# Altium PCB 2.PcbDoc (part 4 of 22) (continued)
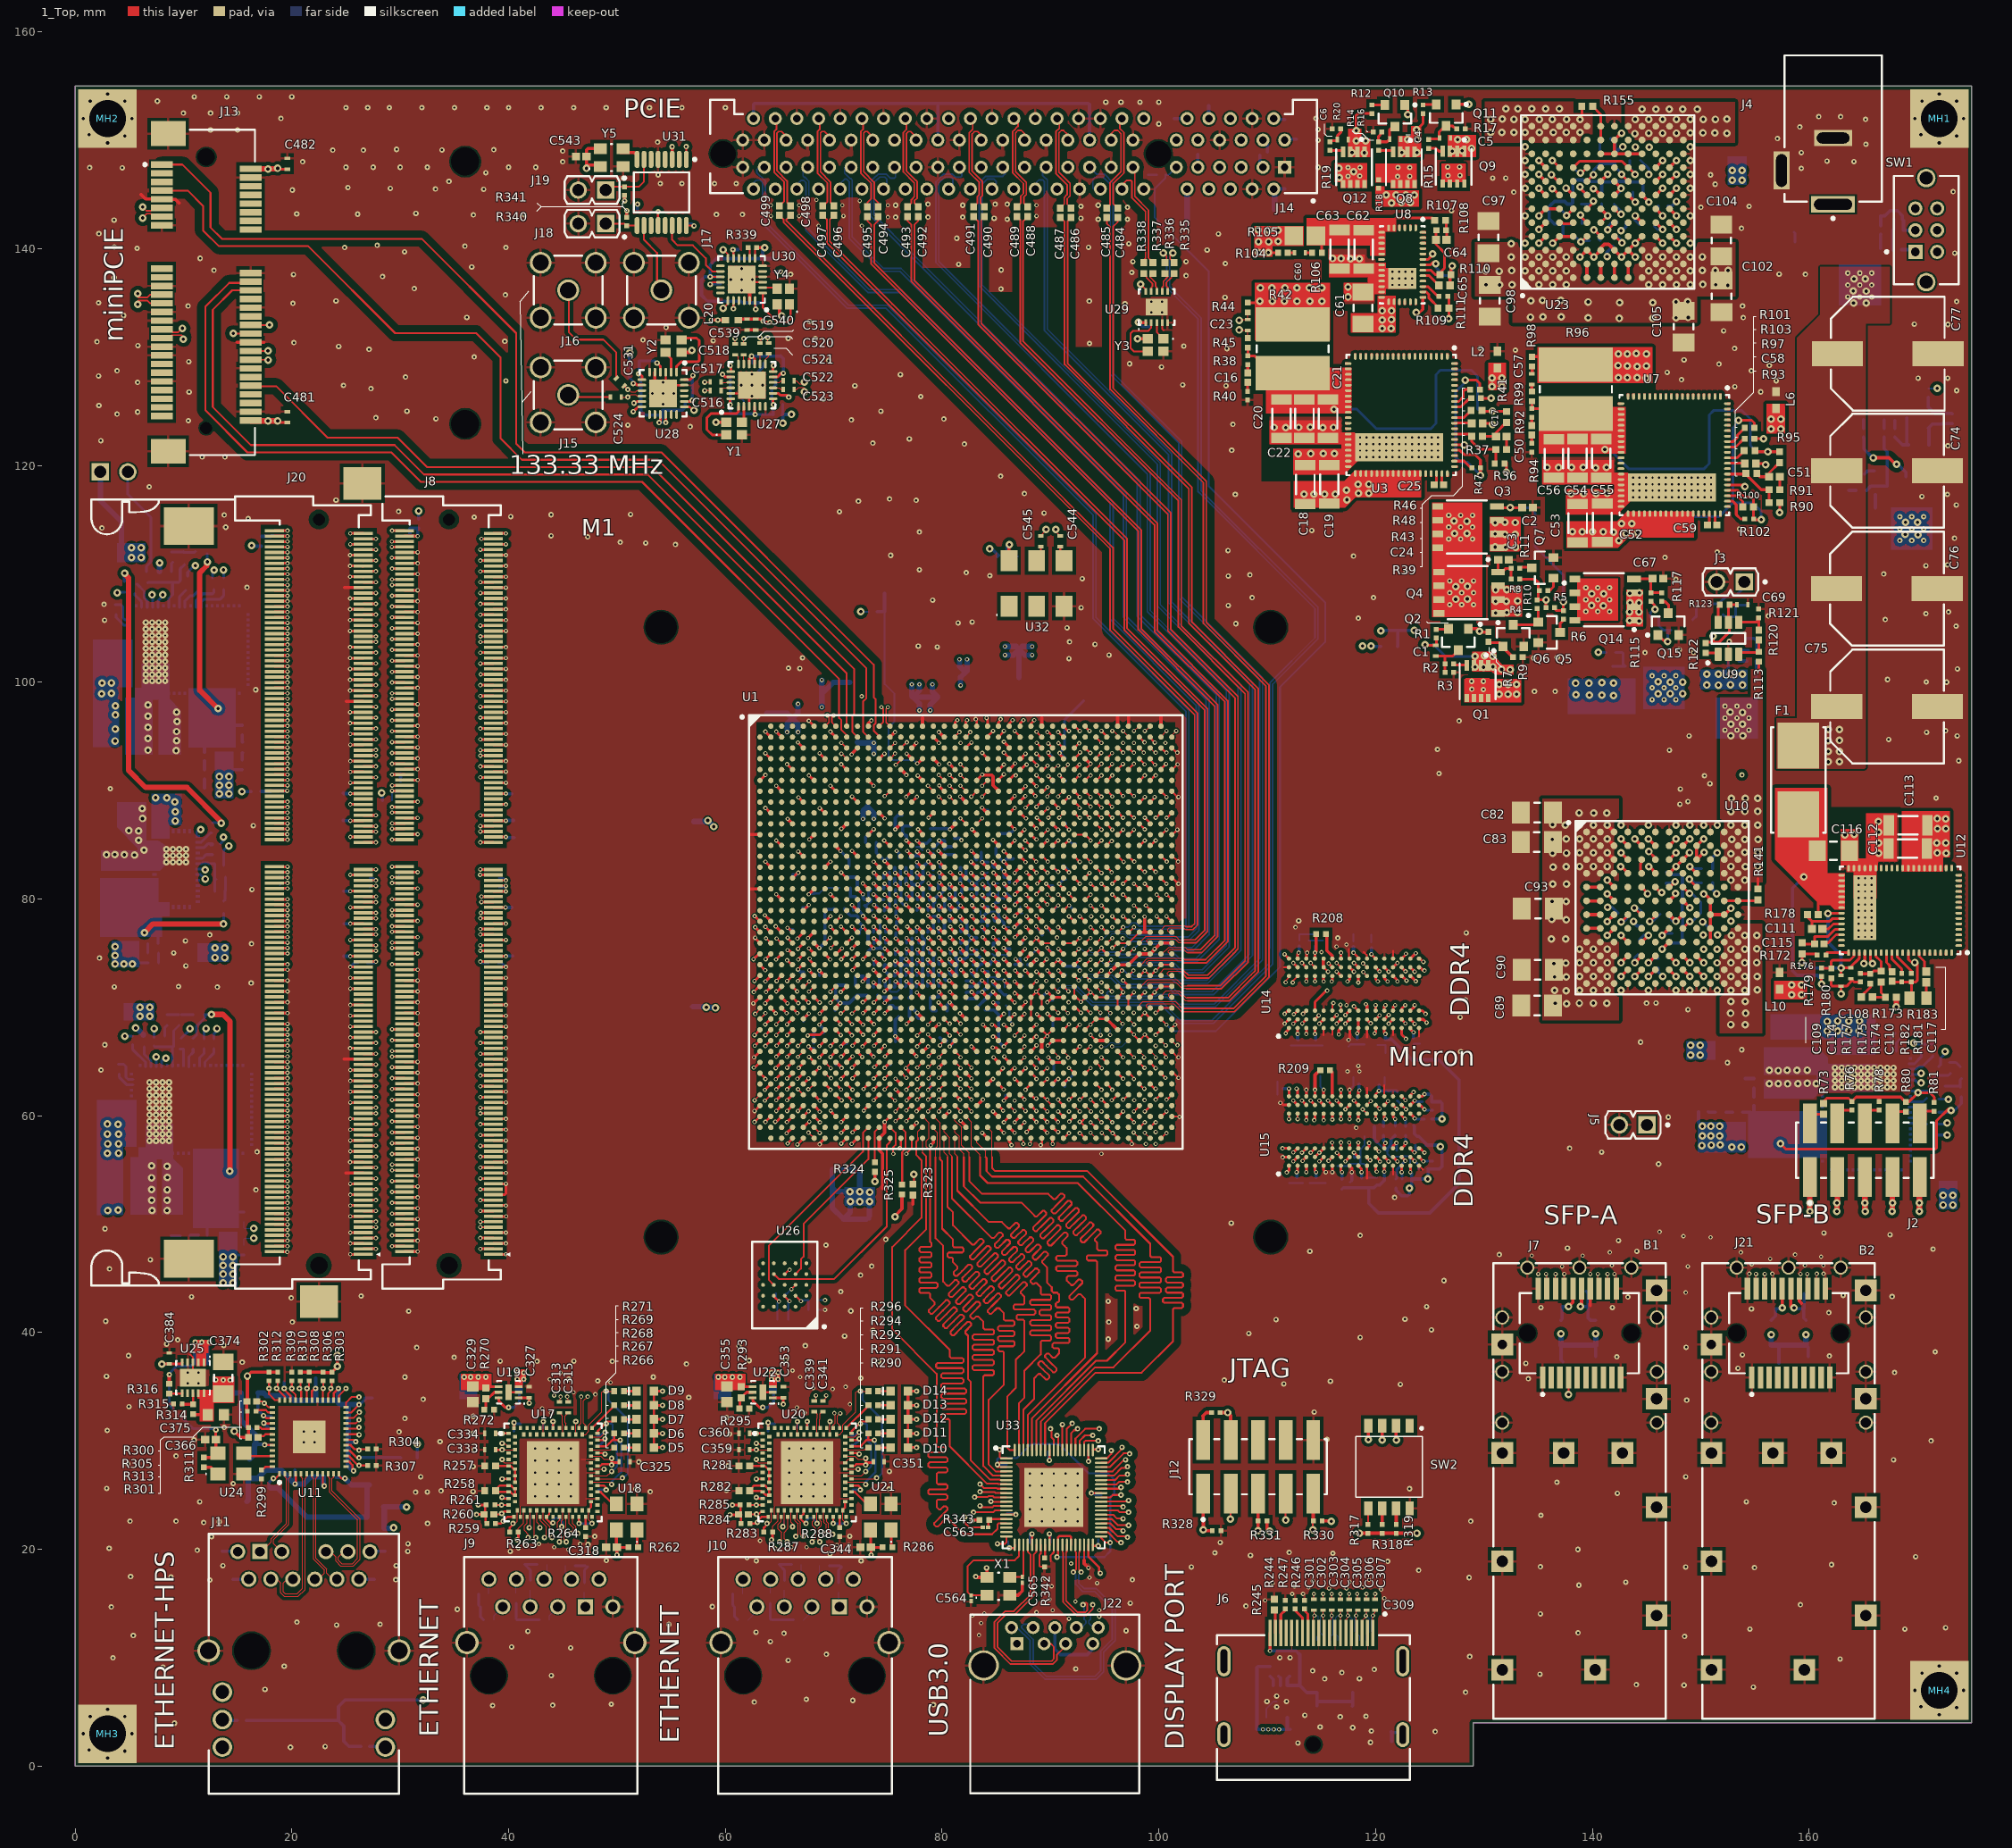
[diagram p0: 1_Top view]
## Footprints (in the part's own frame and the unit in brackets; to place one, negate y for a bottom-side part, rotate by r counter-clockwise, add the part's x,y. Pads: shape width x height; smd on the part's side, far side on the other; paste and mask are expansions set on the pad) (continued)
  1_Top region: -3.7,0.375 -3.3,0.375 -3.3,0.125 -3.7,0.125
  1_Top region: -3.7,-0.125 -3.3,-0.125 -3.3,-0.375 -3.7,-0.375
  1_Top region: -3.7,-0.625 -3.3,-0.625 -3.3,-0.875 -3.7,-0.875
  1_Top region: -3.7,-1.125 -3.3,-1.125 -3.3,-1.375 -3.7,-1.375
  1_Top region: -2.625,1.8 -2.625,2.2 -2.375,2.2 -2.375,1.8
  1_Top region: -2.125,1.8 -2.125,2.2 -1.875,2.2 -1.875,1.8
  1_Top region: -1.625,1.8 -1.625,2.2 -1.375,2.2 -1.375,1.8
  1_Top region: -1.125,1.8 -1.125,2.2 -0.875,2.2 -0.875,1.8
  1_Top region: -0.625,1.8 -0.625,2.2 -0.375,2.2 -0.375,1.8
  1_Top region: -0.125,1.8 -0.125,2.2 0.125,2.2 0.125,1.8
  1_Top region: 0.375,1.8 0.375,2.2 0.625,2.2 0.625,1.8
  1_Top region: 0.875,1.8 0.875,2.2 1.125,2.2 1.125,1.8
  1_Top region: 1.375,1.8 1.375,2.2 1.625,2.2 1.625,1.8
  1_Top region: 1.875,1.8 1.875,2.2 2.125,2.2 2.125,1.8
  1_Top region: 2.375,1.8 2.375,2.2 2.625,2.2 2.625,1.8
  1_Top region: 2.875,1.8 2.875,2.2 3.125,2.2 3.125,1.8
  1_Top region: 3.7,-1.375 3.3,-1.375 3.3,-1.125 3.7,-1.125
  1_Top region: 3.7,-0.875 3.3,-0.875 3.3,-0.625 3.7,-0.625
  1_Top region: 3.7,-0.375 3.3,-0.375 3.3,-0.125 3.7,-0.125
  1_Top region: 3.7,0.125 3.3,0.125 3.3,0.375 3.7,0.375
  1_Top region: 3.7,0.625 3.3,0.625 3.3,0.875 3.7,0.875
  1_Top region: 3.7,1.125 3.3,1.125 3.3,1.375 3.7,1.375
  1_Top region: 3.125,-1.8 3.125,-2.2 2.875,-2.2 2.875,-1.8
  1_Top region: 2.625,-1.8 2.625,-2.2 2.375,-2.2 2.375,-1.8
  1_Top region: 2.125,-1.8 2.125,-2.2 1.875,-2.2 1.875,-1.8
  1_Top region: 1.625,-1.8 1.625,-2.2 1.375,-2.2 1.375,-1.8
  1_Top region: 1.125,-1.8 1.125,-2.2 0.875,-2.2 0.875,-1.8
  1_Top region: 0.625,-1.8 0.625,-2.2 0.375,-2.2 0.375,-1.8
  1_Top region: 0.125,-1.8 0.125,-2.2 -0.125,-2.2 -0.125,-1.8
  1_Top region: -0.375,-1.8 -0.375,-2.2 -0.625,-2.2 -0.625,-1.8
  1_Top region: -0.875,-1.8 -0.875,-2.2 -1.125,-2.2 -1.125,-1.8
  1_Top region: -1.375,-1.8 -1.375,-2.2 -1.625,-2.2 -1.625,-1.8
  1_Top region: -1.875,-1.8 -1.875,-2.2 -2.125,-2.2 -2.125,-1.8
  1_Top region: -2.375,-1.8 -2.375,-2.2 -2.625,-2.2 -2.625,-1.8
  1_Top region: -2.875,-1.8 -2.875,-2.2 -3.125,-2.2 -3.125,-1.8
  silkscreen extent -4.05,-2.05 3.55,2.65, body extent -3.5,-2 3.5,2, height 1.9
ALTR-QFN-68_A-305_D1-210_V [mm] "QFN, 68-Leads, Body 11x8mm, Pitch 0.5mm, Thermal Pad 2.1x6mm"
  oval 0.6x0.25 smd: 1(-5.4,3.25) 2(-5.4,2.75) 3(-5.4,2.25) 4(-5.4,1.75) 5(-5.4,1.25) 6(-5.4,0.75) 7(-5.4,0.25) 8(-5.4,-0.25) 9(-5.4,-0.75) 10(-5.4,-1.25) 11(-5.4,-1.75) 12(-5.4,-2.25) 13(-5.4,-2.75) 14(-5.4,-3.25) 35(5.4,-3.25) 36(5.4,-2.75) 37(5.4,-2.25) 38(5.4,-1.75) 39(5.4,-1.25) 40(5.4,-0.75) 41(5.4,-0.25) 42(5.4,0.25) 43(5.4,0.75) 44(5.4,1.25) 45(5.4,1.75) 46(5.4,2.25) 47(5.4,2.75) 48(5.4,3.25)
  oval 0.25x0.6 smd: 15(-4.75,-3.9) 16(-4.25,-3.9) 17(-3.75,-3.9) 18(-3.25,-3.9) 19(-2.75,-3.9) 20(-2.25,-3.9) 21(-1.75,-3.9) 22(-1.25,-3.9) 23(-0.75,-3.9) 24(-0.25,-3.9) 25(0.25,-3.9) 26(0.75,-3.9) 27(1.25,-3.9) 28(1.75,-3.9) 29(2.25,-3.9) 30(2.75,-3.9) 31(3.25,-3.9) 32(3.75,-3.9) 33(4.25,-3.9) 34(4.75,-3.9) 49(4.75,3.9) 50(4.25,3.9) 51(3.75,3.9) 52(3.25,3.9) 53(2.75,3.9) 54(2.25,3.9) 55(1.75,3.9) 56(1.25,3.9) 57(0.75,3.9) 58(0.25,3.9) 59(-0.25,3.9) 60(-0.75,3.9) 61(-1.25,3.9) 62(-1.75,3.9) 63(-2.25,3.9) 64(-2.75,3.9) 65(-3.25,3.9) 66(-3.75,3.9) 67(-4.25,3.9) 68(-4.75,3.9)
  rect 2.1x6 smd paste-3: 69(3.23,-0.25)
  1_Top region: -4.625,4.2 -4.875,4.2 -4.875,3.9 -4.625,3.9
  1_Top region: -4.125,4.2 -4.375,4.2 -4.375,3.9 -4.125,3.9
  1_Top region: -3.625,4.2 -3.875,4.2 -3.875,3.9 -3.625,3.9
  1_Top region: -3.125,4.2 -3.375,4.2 -3.375,3.9 -3.125,3.9
  1_Top region: -1.125,4.2 -1.375,4.2 -1.375,3.9 -1.125,3.9
  1_Top region: -1.625,4.2 -1.875,4.2 -1.875,3.9 -1.625,3.9
  1_Top region: -2.125,4.2 -2.375,4.2 -2.375,3.9 -2.125,3.9
  1_Top region: -2.625,4.2 -2.875,4.2 -2.875,3.9 -2.625,3.9
  1_Top region: 0.875,4.2 0.625,4.2 0.625,3.9 0.875,3.9
  1_Top region: 0.375,4.2 0.125,4.2 0.125,3.9 0.375,3.9
  1_Top region: -0.125,4.2 -0.375,4.2 -0.375,3.9 -0.125,3.9
  1_Top region: -0.625,4.2 -0.875,4.2 -0.875,3.9 -0.625,3.9
  1_Top region: 2.875,4.2 2.625,4.2 2.625,3.9 2.875,3.9
  1_Top region: 2.375,4.2 2.125,4.2 2.125,3.9 2.375,3.9
  1_Top region: 1.875,4.2 1.625,4.2 1.625,3.9 1.875,3.9
  1_Top region: 1.375,4.2 1.125,4.2 1.125,3.9 1.375,3.9
  1_Top region: 4.875,4.2 4.625,4.2 4.625,3.9 4.875,3.9
  1_Top region: 4.375,4.2 4.125,4.2 4.125,3.9 4.375,3.9
  1_Top region: 3.875,4.2 3.625,4.2 3.625,3.9 3.875,3.9
  1_Top region: 3.375,4.2 3.125,4.2 3.125,3.9 3.375,3.9
  1_Top region: 3.375,-3.9 3.125,-3.9 3.125,-4.2 3.375,-4.2
  1_Top region: 3.875,-3.9 3.625,-3.9 3.625,-4.2 3.875,-4.2
  1_Top region: 4.375,-3.9 4.125,-3.9 4.125,-4.2 4.375,-4.2
  1_Top region: 4.875,-3.9 4.625,-3.9 4.625,-4.2 4.875,-4.2
  1_Top region: 1.375,-3.9 1.125,-3.9 1.125,-4.2 1.375,-4.2
  1_Top region: 1.875,-3.9 1.625,-3.9 1.625,-4.2 1.875,-4.2
  1_Top region: 2.375,-3.9 2.125,-3.9 2.125,-4.2 2.375,-4.2
  1_Top region: 2.875,-3.9 2.625,-3.9 2.625,-4.2 2.875,-4.2
  1_Top region: -0.625,-3.9 -0.875,-3.9 -0.875,-4.2 -0.625,-4.2
  1_Top region: -0.125,-3.9 -0.375,-3.9 -0.375,-4.2 -0.125,-4.2
  1_Top region: 0.375,-3.9 0.125,-3.9 0.125,-4.2 0.375,-4.2
  1_Top region: 0.875,-3.9 0.625,-3.9 0.625,-4.2 0.875,-4.2
  1_Top region: -2.625,-3.9 -2.875,-3.9 -2.875,-4.2 -2.625,-4.2
  1_Top region: -2.125,-3.9 -2.375,-3.9 -2.375,-4.2 -2.125,-4.2
  1_Top region: -1.625,-3.9 -1.875,-3.9 -1.875,-4.2 -1.625,-4.2
  1_Top region: -1.125,-3.9 -1.375,-3.9 -1.375,-4.2 -1.125,-4.2
  1_Top region: -3.125,-3.9 -3.375,-3.9 -3.375,-4.2 -3.125,-4.2
  1_Top region: -3.625,-3.9 -3.875,-3.9 -3.875,-4.2 -3.625,-4.2
  1_Top region: -4.125,-3.9 -4.375,-3.9 -4.375,-4.2 -4.125,-4.2
  1_Top region: -4.625,-3.9 -4.875,-3.9 -4.875,-4.2 -4.625,-4.2
  1_Top region: 5.7,3.125 5.7,3.375 5.4,3.375 5.4,3.125
  1_Top region: 5.7,2.625 5.7,2.875 5.4,2.875 5.4,2.625
  1_Top region: 5.7,2.125 5.7,2.375 5.4,2.375 5.4,2.125
  1_Top region: 5.7,1.625 5.7,1.875 5.4,1.875 5.4,1.625
  1_Top region: 5.7,-0.375 5.7,-0.125 5.4,-0.125 5.4,-0.375
  1_Top region: 5.7,0.125 5.7,0.375 5.4,0.375 5.4,0.125
  1_Top region: 5.7,0.625 5.7,0.875 5.4,0.875 5.4,0.625
  1_Top region: 5.7,1.125 5.7,1.375 5.4,1.375 5.4,1.125
  1_Top region: 5.7,-2.375 5.7,-2.125 5.4,-2.125 5.4,-2.375
  1_Top region: 5.7,-1.875 5.7,-1.625 5.4,-1.625 5.4,-1.875
  1_Top region: 5.7,-1.375 5.7,-1.125 5.4,-1.125 5.4,-1.375
  1_Top region: 5.7,-0.875 5.7,-0.625 5.4,-0.625 5.4,-0.875
  1_Top region: 5.7,-2.875 5.7,-2.625 5.4,-2.625 5.4,-2.875
  1_Top region: 5.7,-3.375 5.7,-3.125 5.4,-3.125 5.4,-3.375
  1_Top region: -5.4,-3.375 -5.4,-3.125 -5.7,-3.125 -5.7,-3.375
  1_Top region: -5.4,-2.875 -5.4,-2.625 -5.7,-2.625 -5.7,-2.875
  1_Top region: -5.4,-0.875 -5.4,-0.625 -5.7,-0.625 -5.7,-0.875
  1_Top region: -5.4,-1.375 -5.4,-1.125 -5.7,-1.125 -5.7,-1.375
  1_Top region: -5.4,-1.875 -5.4,-1.625 -5.7,-1.625 -5.7,-1.875
  1_Top region: -5.4,-2.375 -5.4,-2.125 -5.7,-2.125 -5.7,-2.375
  1_Top region: -5.4,1.125 -5.4,1.375 -5.7,1.375 -5.7,1.125
  1_Top region: -5.4,0.625 -5.4,0.875 -5.7,0.875 -5.7,0.625
  1_Top region: -5.4,0.125 -5.4,0.375 -5.7,0.375 -5.7,0.125
  1_Top region: -5.4,-0.375 -5.4,-0.125 -5.7,-0.125 -5.7,-0.375
  1_Top region: -5.4,1.625 -5.4,1.875 -5.7,1.875 -5.7,1.625
  1_Top region: -5.4,2.125 -5.4,2.375 -5.7,2.375 -5.7,2.125
  1_Top region: -5.4,2.625 -5.4,2.875 -5.7,2.875 -5.7,2.625
  1_Top region: -5.4,3.125 -5.4,3.375 -5.7,3.375 -5.7,3.125
  silkscreen extent -6.33,-4.05 5.55,4.05, body extent -5.5,-4 5.5,4, height 3.05
ALTR-QFN-68_A-305_V [mm] "QFN, 68-Leads, Body 11x8mm, Pitch 0.5mm, Thermal Pad 2.6x6.1mm"
  oval 0.6x0.25 smd: 1(-5.4,3.25) 2(-5.4,2.75) 3(-5.4,2.25) 4(-5.4,1.75) 5(-5.4,1.25) 6(-5.4,0.75) 7(-5.4,0.25) 8(-5.4,-0.25) 9(-5.4,-0.75) 10(-5.4,-1.25) 11(-5.4,-1.75) 12(-5.4,-2.25) 13(-5.4,-2.75) 14(-5.4,-3.25) 35(5.4,-3.25) 36(5.4,-2.75) 37(5.4,-2.25) 38(5.4,-1.75) 39(5.4,-1.25) 40(5.4,-0.75) 41(5.4,-0.25) 42(5.4,0.25) 43(5.4,0.75) 44(5.4,1.25) 45(5.4,1.75) 46(5.4,2.25) 47(5.4,2.75) 48(5.4,3.25)
  oval 0.25x0.6 smd: 15(-4.75,-3.9) 16(-4.25,-3.9) 17(-3.75,-3.9) 18(-3.25,-3.9) 19(-2.75,-3.9) 20(-2.25,-3.9) 21(-1.75,-3.9) 22(-1.25,-3.9) 23(-0.75,-3.9) 24(-0.25,-3.9) 25(0.25,-3.9) 26(0.75,-3.9) 27(1.25,-3.9) 28(1.75,-3.9) 29(2.25,-3.9) 30(2.75,-3.9) 31(3.25,-3.9) 32(3.75,-3.9) 33(4.25,-3.9) 34(4.75,-3.9) 49(4.75,3.9) 50(4.25,3.9) 51(3.75,3.9) 52(3.25,3.9) 53(2.75,3.9) 54(2.25,3.9) 55(1.75,3.9) 56(1.25,3.9) 57(0.75,3.9) 58(0.25,3.9) 59(-0.25,3.9) 60(-0.75,3.9) 61(-1.25,3.9) 62(-1.75,3.9) 63(-2.25,3.9) 64(-2.75,3.9) 65(-3.25,3.9) 66(-3.75,3.9) 67(-4.25,3.9) 68(-4.75,3.9)
  rect 2.6x6.1 smd paste-3: 69(2.98,-0.2)
  1_Top region: 4.875,3.9 4.625,3.9 4.625,4.2 4.875,4.2
  1_Top region: 4.375,3.9 4.125,3.9 4.125,4.2 4.375,4.2
  1_Top region: 3.875,3.9 3.625,3.9 3.625,4.2 3.875,4.2
  1_Top region: 3.375,3.9 3.125,3.9 3.125,4.2 3.375,4.2
  1_Top region: 2.875,3.9 2.625,3.9 2.625,4.2 2.875,4.2
  1_Top region: 2.375,3.9 2.125,3.9 2.125,4.2 2.375,4.2
  1_Top region: 1.875,3.9 1.625,3.9 1.625,4.2 1.875,4.2
  1_Top region: 1.375,3.9 1.125,3.9 1.125,4.2 1.375,4.2
  1_Top region: 0.875,3.9 0.625,3.9 0.625,4.2 0.875,4.2
  1_Top region: 0.375,3.9 0.125,3.9 0.125,4.2 0.375,4.2
  1_Top region: -0.125,3.9 -0.375,3.9 -0.375,4.2 -0.125,4.2
  1_Top region: -0.625,3.9 -0.875,3.9 -0.875,4.2 -0.625,4.2
  1_Top region: -1.125,3.9 -1.375,3.9 -1.375,4.2 -1.125,4.2
  1_Top region: -1.625,3.9 -1.875,3.9 -1.875,4.2 -1.625,4.2
  1_Top region: -2.125,3.9 -2.375,3.9 -2.375,4.2 -2.125,4.2
  1_Top region: -2.625,3.9 -2.875,3.9 -2.875,4.2 -2.625,4.2
  1_Top region: -3.125,3.9 -3.375,3.9 -3.375,4.2 -3.125,4.2
  1_Top region: -3.625,3.9 -3.875,3.9 -3.875,4.2 -3.625,4.2
  1_Top region: -4.125,3.9 -4.375,3.9 -4.375,4.2 -4.125,4.2
  1_Top region: -4.625,3.9 -4.875,3.9 -4.875,4.2 -4.625,4.2
  1_Top region: 4.875,-4.2 4.625,-4.2 4.625,-3.9 4.875,-3.9
  1_Top region: 4.375,-4.2 4.125,-4.2 4.125,-3.9 4.375,-3.9
  1_Top region: 3.875,-4.2 3.625,-4.2 3.625,-3.9 3.875,-3.9
  1_Top region: 3.375,-4.2 3.125,-4.2 3.125,-3.9 3.375,-3.9
  1_Top region: 2.875,-4.2 2.625,-4.2 2.625,-3.9 2.875,-3.9
  1_Top region: 2.375,-4.2 2.125,-4.2 2.125,-3.9 2.375,-3.9
  1_Top region: 1.875,-4.2 1.625,-4.2 1.625,-3.9 1.875,-3.9
  1_Top region: 1.375,-4.2 1.125,-4.2 1.125,-3.9 1.375,-3.9
  1_Top region: 0.875,-4.2 0.625,-4.2 0.625,-3.9 0.875,-3.9
  1_Top region: 0.375,-4.2 0.125,-4.2 0.125,-3.9 0.375,-3.9
  1_Top region: -0.125,-4.2 -0.375,-4.2 -0.375,-3.9 -0.125,-3.9
  1_Top region: -0.625,-4.2 -0.875,-4.2 -0.875,-3.9 -0.625,-3.9
  1_Top region: -1.125,-4.2 -1.375,-4.2 -1.375,-3.9 -1.125,-3.9
  1_Top region: -1.625,-4.2 -1.875,-4.2 -1.875,-3.9 -1.625,-3.9
  1_Top region: -2.125,-4.2 -2.375,-4.2 -2.375,-3.9 -2.125,-3.9
  1_Top region: -2.625,-4.2 -2.875,-4.2 -2.875,-3.9 -2.625,-3.9
  1_Top region: -3.125,-4.2 -3.375,-4.2 -3.375,-3.9 -3.125,-3.9
  1_Top region: -3.625,-4.2 -3.875,-4.2 -3.875,-3.9 -3.625,-3.9
  1_Top region: -4.125,-4.2 -4.375,-4.2 -4.375,-3.9 -4.125,-3.9
  1_Top region: -4.625,-4.2 -4.875,-4.2 -4.875,-3.9 -4.625,-3.9
  1_Top region: 5.4,-3.375 5.4,-3.125 5.7,-3.125 5.7,-3.375
  1_Top region: 5.4,-2.875 5.4,-2.625 5.7,-2.625 5.7,-2.875
  1_Top region: 5.4,-2.375 5.4,-2.125 5.7,-2.125 5.7,-2.375
  1_Top region: 5.4,-1.875 5.4,-1.625 5.7,-1.625 5.7,-1.875
  1_Top region: 5.4,-1.375 5.4,-1.125 5.7,-1.125 5.7,-1.375
  1_Top region: 5.4,-0.875 5.4,-0.625 5.7,-0.625 5.7,-0.875
  1_Top region: 5.4,-0.375 5.4,-0.125 5.7,-0.125 5.7,-0.375
  1_Top region: 5.4,0.125 5.4,0.375 5.7,0.375 5.7,0.125
  1_Top region: 5.4,0.625 5.4,0.875 5.7,0.875 5.7,0.625
  1_Top region: 5.4,1.125 5.4,1.375 5.7,1.375 5.7,1.125
  1_Top region: 5.4,1.625 5.4,1.875 5.7,1.875 5.7,1.625
  1_Top region: 5.4,2.125 5.4,2.375 5.7,2.375 5.7,2.125
  1_Top region: 5.4,2.625 5.4,2.875 5.7,2.875 5.7,2.625
  1_Top region: 5.4,3.125 5.4,3.375 5.7,3.375 5.7,3.125
  1_Top region: -5.7,-3.375 -5.7,-3.125 -5.4,-3.125 -5.4,-3.375
  1_Top region: -5.7,-2.875 -5.7,-2.625 -5.4,-2.625 -5.4,-2.875
  1_Top region: -5.7,-2.375 -5.7,-2.125 -5.4,-2.125 -5.4,-2.375
  1_Top region: -5.7,-1.875 -5.7,-1.625 -5.4,-1.625 -5.4,-1.875
  1_Top region: -5.7,-1.375 -5.7,-1.125 -5.4,-1.125 -5.4,-1.375
  1_Top region: -5.7,-0.875 -5.7,-0.625 -5.4,-0.625 -5.4,-0.875
  1_Top region: -5.7,-0.375 -5.7,-0.125 -5.4,-0.125 -5.4,-0.375
  1_Top region: -5.7,0.125 -5.7,0.375 -5.4,0.375 -5.4,0.125
  1_Top region: -5.7,0.625 -5.7,0.875 -5.4,0.875 -5.4,0.625
  1_Top region: -5.7,1.125 -5.7,1.375 -5.4,1.375 -5.4,1.125
  1_Top region: -5.7,1.625 -5.7,1.875 -5.4,1.875 -5.4,1.625
  1_Top region: -5.7,2.125 -5.7,2.375 -5.4,2.375 -5.4,2.125
  1_Top region: -5.7,2.625 -5.7,2.875 -5.4,2.875 -5.4,2.625
  1_Top region: -5.7,3.125 -5.7,3.375 -5.4,3.375 -5.4,3.125
  silkscreen extent -6.33,-4.05 5.55,4.05, body extent -5.5,-4 5.5,4, height 3.05
ALTR-QFN-76_A-305_V [mm] "QFN, 76-Leads, Body 11x10mm, Pitch 0.5mm, Thermal Pad 2.6x8.1mm"
  oval 0.6x0.25 smd: 1(-5.4,4.25) 2(-5.4,3.75) 3(-5.4,3.25) 4(-5.4,2.75) 5(-5.4,2.25) 6(-5.4,1.75) 7(-5.4,1.25) 8(-5.4,0.75) 9(-5.4,0.25) 10(-5.4,-0.25) 11(-5.4,-0.75) 12(-5.4,-1.25) 13(-5.4,-1.75) 14(-5.4,-2.25) 15(-5.4,-2.75) 16(-5.4,-3.25) 17(-5.4,-3.75) 18(-5.4,-4.25) 39(5.4,-4.25) 40(5.4,-3.75) 41(5.4,-3.25) 42(5.4,-2.75) 43(5.4,-2.25) 44(5.4,-1.75) 45(5.4,-1.25) 46(5.4,-0.75) 47(5.4,-0.25) 48(5.4,0.25) 49(5.4,0.75) 50(5.4,1.25) 51(5.4,1.75) 52(5.4,2.25) 53(5.4,2.75) 54(5.4,3.25) 55(5.4,3.75) 56(5.4,4.25)
  oval 0.25x0.6 smd: 19(-4.75,-4.9) 20(-4.25,-4.9) 21(-3.75,-4.9) 22(-3.25,-4.9) 23(-2.75,-4.9) 24(-2.25,-4.9) 25(-1.75,-4.9) 26(-1.25,-4.9) 27(-0.75,-4.9) 28(-0.25,-4.9) 29(0.25,-4.9) 30(0.75,-4.9) 31(1.25,-4.9) 32(1.75,-4.9) 33(2.25,-4.9) 34(2.75,-4.9) 35(3.25,-4.9) 36(3.75,-4.9) 37(4.25,-4.9) 38(4.75,-4.9) 57(4.75,4.9) 58(4.25,4.9) 59(3.75,4.9) 60(3.25,4.9) 61(2.75,4.9) 62(2.25,4.9) 63(1.75,4.9) 64(1.25,4.9) 65(0.75,4.9) 66(0.25,4.9) 67(-0.25,4.9) 68(-0.75,4.9) 69(-1.25,4.9) 70(-1.75,4.9) 71(-2.25,4.9) 72(-2.75,4.9) 73(-3.25,4.9) 74(-3.75,4.9) 75(-4.25,4.9) 76(-4.75,4.9)
  rect 2.6x8.1 smd paste-3: 77(2.98,-0.2)
  1_Top region: 5.7,-3.875 5.7,-3.625 5.4,-3.625 5.4,-3.875
  1_Top region: 5.7,-4.375 5.7,-4.125 5.4,-4.125 5.4,-4.375
  1_Top region: 5.7,-2.875 5.7,-2.625 5.4,-2.625 5.4,-2.875
  1_Top region: 5.7,-3.375 5.7,-3.125 5.4,-3.125 5.4,-3.375
  1_Top region: 5.7,-2.375 5.7,-2.125 5.4,-2.125 5.4,-2.375
  1_Top region: 5.7,-1.875 5.7,-1.625 5.4,-1.625 5.4,-1.875
  1_Top region: 5.7,-1.375 5.7,-1.125 5.4,-1.125 5.4,-1.375
  1_Top region: 5.7,-0.875 5.7,-0.625 5.4,-0.625 5.4,-0.875
  1_Top region: 5.7,-0.375 5.7,-0.125 5.4,-0.125 5.4,-0.375
  1_Top region: 5.7,0.125 5.7,0.375 5.4,0.375 5.4,0.125
  1_Top region: 5.7,0.625 5.7,0.875 5.4,0.875 5.4,0.625
  1_Top region: 5.7,1.125 5.7,1.375 5.4,1.375 5.4,1.125
  1_Top region: 5.7,1.625 5.7,1.875 5.4,1.875 5.4,1.625
  1_Top region: 5.7,2.125 5.7,2.375 5.4,2.375 5.4,2.125
  1_Top region: 5.7,2.625 5.7,2.875 5.4,2.875 5.4,2.625
  1_Top region: 5.7,3.125 5.7,3.375 5.4,3.375 5.4,3.125
  1_Top region: 5.7,3.625 5.7,3.875 5.4,3.875 5.4,3.625
  1_Top region: 5.7,4.125 5.7,4.375 5.4,4.375 5.4,4.125
  1_Top region: -5.4,-4.375 -5.4,-4.125 -5.7,-4.125 -5.7,-4.375
  1_Top region: -5.4,-3.875 -5.4,-3.625 -5.7,-3.625 -5.7,-3.875
  1_Top region: -5.4,-3.375 -5.4,-3.125 -5.7,-3.125 -5.7,-3.375
  1_Top region: -5.4,-2.875 -5.4,-2.625 -5.7,-2.625 -5.7,-2.875
  1_Top region: -5.4,-2.375 -5.4,-2.125 -5.7,-2.125 -5.7,-2.375
  1_Top region: -5.4,-1.875 -5.4,-1.625 -5.7,-1.625 -5.7,-1.875
  1_Top region: -5.4,-1.375 -5.4,-1.125 -5.7,-1.125 -5.7,-1.375
  1_Top region: -5.4,-0.875 -5.4,-0.625 -5.7,-0.625 -5.7,-0.875
  1_Top region: -5.4,-0.375 -5.4,-0.125 -5.7,-0.125 -5.7,-0.375
  1_Top region: -5.4,0.125 -5.4,0.375 -5.7,0.375 -5.7,0.125
  1_Top region: -5.4,0.625 -5.4,0.875 -5.7,0.875 -5.7,0.625
  1_Top region: -5.4,1.125 -5.4,1.375 -5.7,1.375 -5.7,1.125
  1_Top region: -5.4,1.625 -5.4,1.875 -5.7,1.875 -5.7,1.625
  1_Top region: -5.4,2.125 -5.4,2.375 -5.7,2.375 -5.7,2.125
  1_Top region: -5.4,2.625 -5.4,2.875 -5.7,2.875 -5.7,2.625
  1_Top region: -5.4,3.125 -5.4,3.375 -5.7,3.375 -5.7,3.125
  1_Top region: -5.4,3.625 -5.4,3.875 -5.7,3.875 -5.7,3.625
  1_Top region: -5.4,4.125 -5.4,4.375 -5.7,4.375 -5.7,4.125
  1_Top region: -4.625,5.2 -4.875,5.2 -4.875,4.9 -4.625,4.9
  1_Top region: -4.125,5.2 -4.375,5.2 -4.375,4.9 -4.125,4.9
  1_Top region: -3.625,5.2 -3.875,5.2 -3.875,4.9 -3.625,4.9
  1_Top region: -3.125,5.2 -3.375,5.2 -3.375,4.9 -3.125,4.9
  1_Top region: -2.625,5.2 -2.875,5.2 -2.875,4.9 -2.625,4.9
  1_Top region: -2.125,5.2 -2.375,5.2 -2.375,4.9 -2.125,4.9
  1_Top region: -1.625,5.2 -1.875,5.2 -1.875,4.9 -1.625,4.9
  1_Top region: -1.125,5.2 -1.375,5.2 -1.375,4.9 -1.125,4.9
  1_Top region: -0.625,5.2 -0.875,5.2 -0.875,4.9 -0.625,4.9
  1_Top region: -0.125,5.2 -0.375,5.2 -0.375,4.9 -0.125,4.9
  1_Top region: 0.875,5.2 0.625,5.2 0.625,4.9 0.875,4.9
  1_Top region: 0.375,5.2 0.125,5.2 0.125,4.9 0.375,4.9
  1_Top region: 1.375,5.2 1.125,5.2 1.125,4.9 1.375,4.9
  1_Top region: 1.875,5.2 1.625,5.2 1.625,4.9 1.875,4.9
  1_Top region: 2.375,5.2 2.125,5.2 2.125,4.9 2.375,4.9
  1_Top region: 2.875,5.2 2.625,5.2 2.625,4.9 2.875,4.9
  1_Top region: 3.375,5.2 3.125,5.2 3.125,4.9 3.375,4.9
  1_Top region: 3.875,5.2 3.625,5.2 3.625,4.9 3.875,4.9
  1_Top region: 4.375,5.2 4.125,5.2 4.125,4.9 4.375,4.9
  1_Top region: 4.875,5.2 4.625,5.2 4.625,4.9 4.875,4.9
  1_Top region: -4.625,-4.9 -4.875,-4.9 -4.875,-5.2 -4.625,-5.2
  1_Top region: -4.125,-4.9 -4.375,-4.9 -4.375,-5.2 -4.125,-5.2
  1_Top region: -3.625,-4.9 -3.875,-4.9 -3.875,-5.2 -3.625,-5.2
  1_Top region: -3.125,-4.9 -3.375,-4.9 -3.375,-5.2 -3.125,-5.2
  1_Top region: -2.625,-4.9 -2.875,-4.9 -2.875,-5.2 -2.625,-5.2
  1_Top region: -2.125,-4.9 -2.375,-4.9 -2.375,-5.2 -2.125,-5.2
  1_Top region: -1.625,-4.9 -1.875,-4.9 -1.875,-5.2 -1.625,-5.2
  1_Top region: -1.125,-4.9 -1.375,-4.9 -1.375,-5.2 -1.125,-5.2
  1_Top region: -0.625,-4.9 -0.875,-4.9 -0.875,-5.2 -0.625,-5.2
  1_Top region: -0.125,-4.9 -0.375,-4.9 -0.375,-5.2 -0.125,-5.2
  1_Top region: 0.375,-4.9 0.125,-4.9 0.125,-5.2 0.375,-5.2
  1_Top region: 0.875,-4.9 0.625,-4.9 0.625,-5.2 0.875,-5.2
  1_Top region: 1.375,-4.9 1.125,-4.9 1.125,-5.2 1.375,-5.2
  1_Top region: 1.875,-4.9 1.625,-4.9 1.625,-5.2 1.875,-5.2
  1_Top region: 2.375,-4.9 2.125,-4.9 2.125,-5.2 2.375,-5.2
  1_Top region: 2.875,-4.9 2.625,-4.9 2.625,-5.2 2.875,-5.2
  1_Top region: 3.375,-4.9 3.125,-4.9 3.125,-5.2 3.375,-5.2
  1_Top region: 3.875,-4.9 3.625,-4.9 3.625,-5.2 3.875,-5.2
  1_Top region: 4.375,-4.9 4.125,-4.9 4.125,-5.2 4.375,-5.2
  1_Top region: 4.875,-4.9 4.625,-4.9 4.625,-5.2 4.875,-5.2
  silkscreen extent -6.32,-5.05 5.55,5.05, body extent -5.5,-5 5.5,5, height 3.05
BELS-L829-1J1T-43_V [mm] "THD, 19-Leads, Body 23.94x17.58mm, Pitch 2.03mm"
  rect 1.4x1.4 hole 0.89: 1(4.064,-9.144)
  round 1.4 hole 0.89: 2(6.096,-9.144) 3(2.032,-9.144) 4(1.016,-6.604) 5(5.08,-6.604) 6(3.048,-6.604) 7(-1.016,-6.604) 8(-5.08,-6.604) 9(-3.048,-6.604) 10(-4.064,-9.144) 11(-6.096,-9.144) 12(-2.032,-9.144)
  round 1.8 hole 1.27: 13(-7.518,6.35) 14(-7.518,8.89) 15(7.518,3.81) 16(7.518,6.35) 17(7.518,8.89)
  round 2.95 hole 3.25 unplated: MH1(-4.826,0) MH2(4.826,0)
  round 2.1 hole 1.57: S1(-8.788,0) S2(8.788,0)
  silkscreen extent -8.79,-10.8 8.79,13.2, body extent -10.35,-10.8 10.35,13.2, height 12.74
BTB-SM0-8-2H52F [mm] "Board-to-Board Connector, SMT, Right Angle, Pitch 0.8mm, 52-Position, Female"
  rect 0.6x2 smd: 1(-11.8,-4.1) 2(-11.4,4.1) 3(-11,-4.1) 4(-10.6,4.1) 5(-10.2,-4.1) 6(-9.8,4.1) 7(-9.4,-4.1) 8(-9,4.1) 9(-8.6,-4.1) 10(-8.2,4.1) 11(-7.8,-4.1) 12(-7.4,4.1) 13(-7,-4.1) 14(-6.6,4.1) 15(-6.2,-4.1) 16(-5.8,4.1) 17(-2.2,-4.1) 18(-1.8,4.1) 19(-1.4,-4.1) 20(-1,4.1) 21(-0.6,-4.1) 22(-0.2,4.1) 23(0.2,-4.1) 24(0.6,4.1) 25(1,-4.1) 26(1.4,4.1) 27(1.8,-4.1) 28(2.2,4.1) 29(2.6,-4.1) 30(3,4.1) 31(3.4,-4.1) 32(3.8,4.1) 33(4.2,-4.1) 34(4.6,4.1) 35(5,-4.1) 36(5.4,4.1) 37(5.8,-4.1) 38(6.2,4.1) 39(6.6,-4.1) 40(7,4.1) 41(7.4,-4.1) 42(7.8,4.1) 43(8.2,-4.1) 44(8.6,4.1) 45(9,-4.1) 46(9.4,4.1) 47(9.8,-4.1) 48(10.2,4.1) 49(10.6,-4.1) 50(11,4.1) 51(11.4,-4.1) 52(11.8,4.1)
  round 1.3 hole 1.6 unplated: MH1(-12.5,0)
  round 0.8 hole 1.1 unplated: MH2(12.5,0)
  rect 2.3x3.2 smd: MP1(-14.65,-3.5) MP2(14.65,-3.5)
  silkscreen extent -15,-5.77 15,4.5, body extent -15,-5 15,4.5, height 5.61
CAPC0603X33X15LL03T05 [mm] "Chip Capacitor, 2-Leads, Body 0.63x0.33mm, IPC High Density"
  rect 0.4x0.32 smd: 1(-0.26,0) 2(0.26,0)
  body extent -0.32,-0.17 0.32,0.17, height 0.33
CAPC1005X33X10LL5 [mm] "Chip Capacitor, 2-Leads, Body 1.05x0.55mm, IPC High Density"
  rect 0.32x0.52 smd: 1(-0.5,0) 2(0.5,0)
  body extent -0.52,-0.27 0.53,0.28, height 0.33
CAPC1005X33X20ML05T10 [mm] "Chip Capacitor, 2-Leads, Body 1.05x0.55mm, IPC Low Density"
  rect 0.7x0.72 smd: 1(-0.51,0) 2(0.51,0)
  body extent -0.52,-0.27 0.52,0.27, height 0.33
CAPC1005X55X10LL05 [mm] "Chip Capacitor, 2-Leads, Body 1.05x0.55mm, IPC High Density"
  rect 0.32x0.52 smd: 1(-0.5,0) 2(0.5,0)
  body extent -0.53,-0.28 0.53,0.28, height 0.55
CAPC1005X55X10ML05 [mm] "Chip Capacitor, 2-Leads, Body 1.05x0.55mm, IPC Low Density"
  rect 0.52x0.72 smd: 1(-0.6,0) 2(0.6,0)
  body extent -0.53,-0.28 0.53,0.28, height 0.55
CAPC1005X55X20ML5T10 [mm] "Chip Capacitor, 2-Leads, Body 1.05x0.55mm, IPC Low Density"
  rect 0.76x0.72 smd: 1(-0.49,0) 2(0.49,0)
  body extent -0.52,-0.28 0.53,0.28, height 0.55
CAPC1005X55X23ML05T8 [mm] "Chip Capacitor, 2-Leads, Body 1.05x0.55mm, IPC Low Density"
  rect 0.72x0.72 smd: 1(-0.51,0) 2(0.51,0)
  body extent -0.53,-0.28 0.53,0.28, height 0.55
CAPC1005X55X23NL05T8 [mm] "Chip Capacitor, 2-Leads, Body 1.05x0.55mm, IPC Medium Density"
  rect 0.62x0.62 smd: 1(-0.46,0) 2(0.46,0)
  body extent -0.53,-0.28 0.53,0.28, height 0.55
CAPC1005X55X25LL05T10 [mm] "Chip Capacitor, 2-Leads, Body 1.05x0.55mm, IPC High Density"
  rect 0.56x0.52 smd: 1(-0.39,0) 2(0.39,0)
  body extent -0.53,-0.28 0.53,0.28, height 0.55
CAPC1005X55X25ML05T10 [mm] "Chip Capacitor, 2-Leads, Body 1.05x0.55mm, IPC Low Density"
  rect 0.76x0.72 smd: 1(-0.49,0) 2(0.49,0)
  body extent -0.52,-0.27 0.52,0.28, height 0.55
CAPC1005X55X25NL05T10 [mm] "Chip Capacitor, 2-Leads, Body 1.05x0.55mm, IPC Medium Density"
  rect 0.66x0.62 smd: 1(-0.44,0) 2(0.44,0)
  body extent -0.53,-0.28 0.53,0.28, height 0.55
CAPC1608X90X35ML10T15 [mm] "Chip Capacitor, 2-Leads, Body 1.7x0.9mm, IPC Low Density"
  rect 0.95x1.05 smd: 1(-0.725,0) 2(0.725,0)
  body extent -0.85,-0.45 0.85,0.45, height 0.9
CAPC2013X100X20NL20 [mm] "Chip Capacitor, 2-Leads, Body 2.2x1.45mm, IPC Medium Density"
  rect 0.75x1.45 smd: 1(-1.075,0) 2(1.075,0)
  silkscreen extent -0.3,-0.63 0.3,0.63, body extent -1.1,-0.72 1.1,0.72, height 1
CAPC3216X180X20ML20 [mm] "Chip Capacitor, 2-Leads, Body 3.40x1.80mm, IPC Low Density"
  rect 0.95x1.9 smd: 1(-1.775,0) 2(1.775,0)
  silkscreen extent -0.9,-0.85 0.9,0.85, body extent -1.7,-0.9 1.7,0.9, height 1.8
CAPC3216X180X55ML20T25 [mm] "Chip Capacitor, 2-Leads, Body 3.4x1.8mm, IPC Low Density"
  rect 1.55x1.9 smd: 1(-1.475,0) 2(1.475,0)
  silkscreen extent -0.3,-0.85 0.3,0.85, body extent -1.7,-0.9 1.7,0.9, height 1.8
CAPC3216X190X55ML30T25 [mm] "Chip Capacitor, 2-Leads, Body 3.5x1.9mm, IPC Low Density"
  rect 1.65x2 smd: 1(-1.475,0) 2(1.475,0)
  silkscreen extent -0.25,-0.9 0.25,0.9, body extent -1.75,-0.95 1.75,0.95, height 1.9
COIL-1008CS_V [mm] "SMD, 2-Leads, Body 2.92x2.79mm"
  rect 2.54x1.02 smd: 1(0,1.145) 2(0,-1.145)
  silkscreen extent -1.4,-0.24 1.4,0.24, body extent -1.39,-1.46 1.4,1.46, height 2.03
DDC0006A_M [mm] "SOT23, 6-Leads, Body 3.05x1.75mm, Pitch 0.95mm, IPC Low Density"
  rrect15% 1.2x0.65 smd: 1(-1.475,0.95) 2(-1.475,0) 3(-1.475,-0.95) 4(1.475,-0.95) 5(1.475,0) 6(1.475,0.95)
  silkscreen extent -2.4,-1.55 0.5,2.02, body extent -1.43,-1.48 1.43,1.49, height 0.9
DIOD-SMC-2_V [mm] "Molded Diode, 2-Leads, Body 7.11x6.22mm"
  rect 2.5x3.3 smd: 1(-3.4,0) 2(3.4,0)
  silkscreen extent -3.6,-3.15 4.52,3.15, body extent -3.77,-3.11 3.77,3.11, height 2.5
DIOD-SOT23-3_A_V [mm] "SOT23, 3-Leads, Body 3x1.40mm, Pitch 0.915mm"
  rect 0.9x0.8 smd: 1(-1,0.915) 2(-1,-0.915) 3(1,0)
  silkscreen extent -1.52,-1.5 0.7,2.15, body extent -1.25,-1.5 1.25,1.5, height 1.1
DIOD-SOT23-3_V [mm] "SOT23, 3-Leads, Body 3x1.4mm, Pitch 0.95mm"
  rect 0.9x0.8 smd: 1(-1,0.95) 2(-1,-0.95) 3(1,0)
  silkscreen extent -2.03,-1.5 0.7,1.67, body extent -1.25,-1.5 1.25,1.5, height 1.1
EPSON-FA-128_V [mm] "SMD, 4-Leads, Body 2x1.6mm, Pitch 1.45mm"
  rect 0.95x0.85 smd: 1(-0.725,-0.575) 2(0.725,-0.575) 3(0.725,0.575) 4(-0.725,0.575)
  silkscreen extent -1.65,-0.62 -1.55,-0.53, body extent -1,-0.8 1,0.8, height 0.5
EPSON-SG-310-4_V [mm] "SMD, 4-Leads, Body 3.2x2.5mm"
  rect 1.4x1.2 smd: 1(-1.2,-0.95) 2(1.2,-0.95) 3(1.2,0.95) 4(-1.2,0.95)
  silkscreen extent -2.35,-1 -2.25,-0.9, body extent -1.6,-1.25 1.6,1.25, height 1.05
ESWI-EG2207_V [mm] "TH, 6-Leads, Body 10x6mm, Pitch 2mm"
  rect 1.3x1.3 hole 0.8 paste+0: 1(-2,1)
  round 1.3 hole 0.8 paste+0: 2(0,1) 3(2,1) 4(-2,-1) 5(0,-1) 6(2,-1)
  round 1.7 hole 1.2: MH1(-4.8,0) MH2(4.8,0)
  silkscreen extent -5,-3 5,3.77, body extent -5,-3 5,3, height 7.7
FCI-10117835_V [mm] "THD, 9-Leads, Body 15.6x16.5mm"
  rect 1.2x1.2 hole 0.7: 1(-3.5,0.25)
  round 1.2 hole 0.7: 2(-1,0.25) 3(1,0.25) 4(3.5,0.25) 5(4,1.75) 6(2,1.75) 7(0,1.75) 8(-2,1.75) 9(-4,1.75)
  round 2.8 hole 2.3: 10(-6.57,-1.75) 11(6.57,-1.75)
  silkscreen extent -7.8,-13.55 7.8,2.95, body extent -7.8,-13.58 7.78,2.95, height 8.04